# Allegro board AM335x_ICE_3H0013_PCB_REV_2_1A.brd (continued)
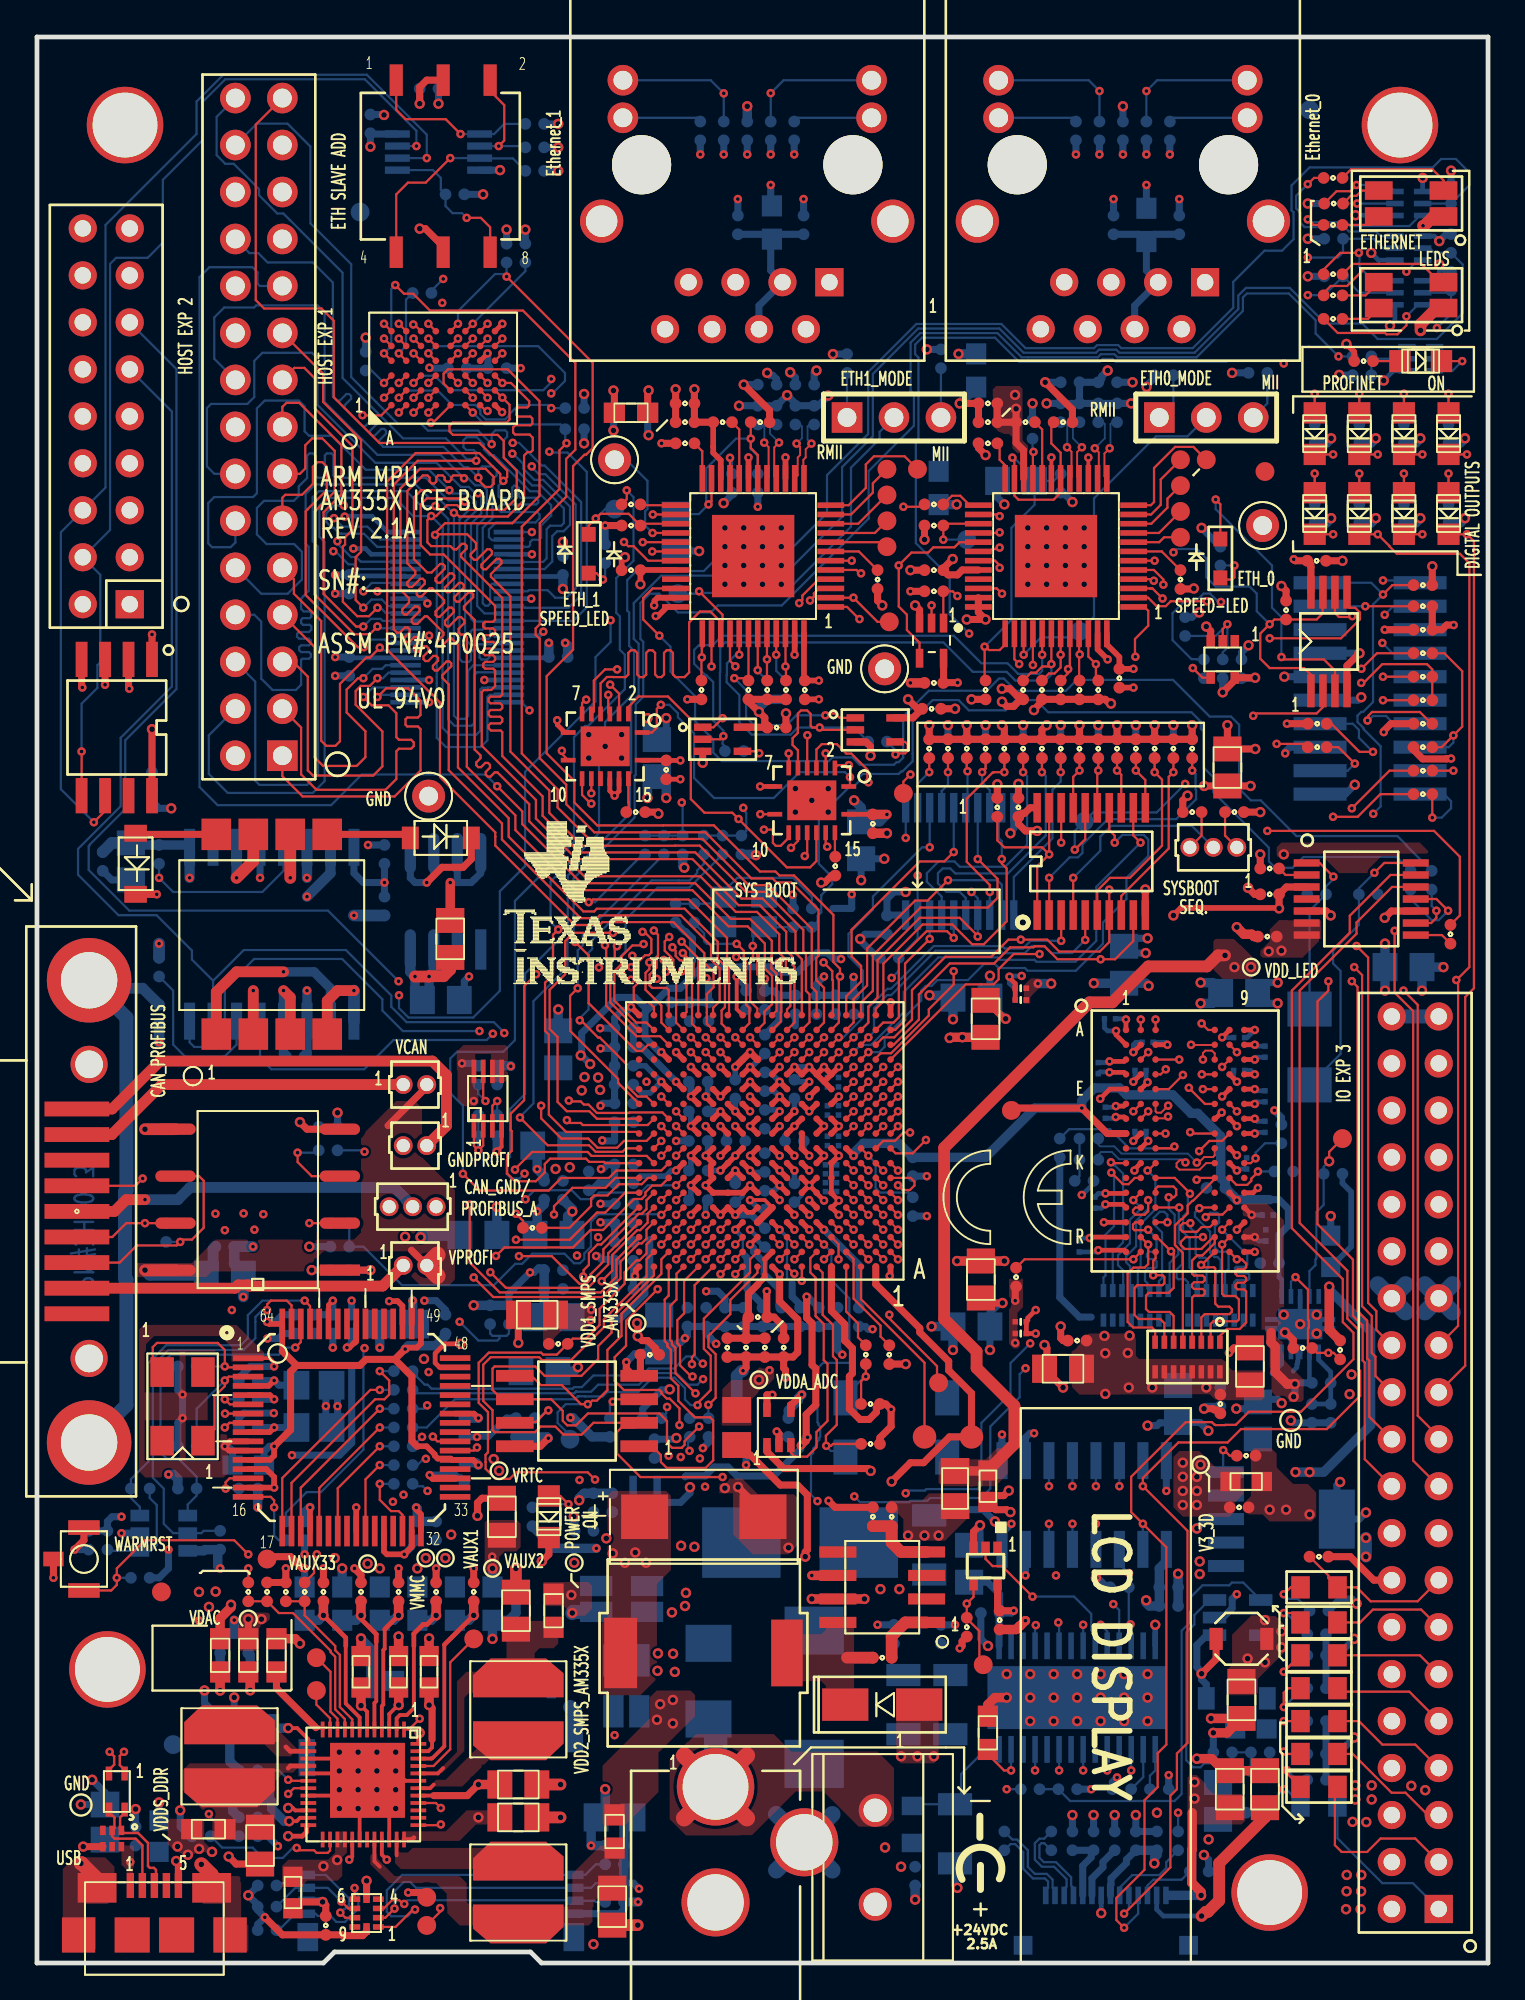
[diagram p0: board, top side]
## Nets (continued)
V5_0VOP: C55.1 C234.1 C240.1 U20.5(VCC) U35.15(5VOP)
V13: C62.1 C252.1 C255.1 C258.1 D20.1(CATHODE) J17.1 R220.2(P2)
V24_0HVS: C233.1 C242.1 C243.1 C248.1 C249.1 C273.1 D19.1(CATHODE) F1.2 J14.2 J14.4 J14.6 J14.8 J14.10 J14.12 J14.14 J14.16 R227.2(P2) R243.1(P1) U21.7(VIN)
V24_IN: D18.2(ANODE) J3.17 J11.1 J12.1
VBAT_LCD: C268.1 C269.1 J17.10
VDD1_SMPS: R86.1(P1) R219.1(I1)
VDD1_SMPS_AM335X: C37.1 C151.1 C170.1 C203.1 C204.1 C210.1 R219.2(I2) TP25.1(TP) U14.A2(VDD_MPU_MON) U14.F10(VDD_MPU#F10) U14.F11(VDD_MPU#F11) U14.F12(VDD_MPU#F12) U14.F13(VDD_MPU#F13) U14.G13(VDD_MPU#G13) U14.H13(VDD_MPU#H13) U14.J13(VDD_MPU#J13)
VDD2_SMPS: R73.1(P1) R212.1(I1)
VDD2_SMPS_AM335X: C130.1 C131.1 C134.1 C142.1 C149.1 C150.1 C154.1 C155.1 C163.1 C164.1 C169.1 C171.1 C178.1 C187.1 C192.1 R212.2(I2) U14.F6(VDD_CORE#F6) U14.F7(VDD_CORE#F7) U14.G6(VDD_CORE#G6) U14.G7(VDD_CORE#G7) U14.G10(VDD_CORE#G10) U14.H11(VDD_CORE#H11) U14.J12(VDD_CORE#J12) U14.K6(VDD_CORE#K6) U14.K8(VDD_CORE#K8) U14.K12(VDD_CORE#K12) U14.L6(VDD_CORE#L6) U14.L7(VDD_CORE#L7) U14.L8(VDD_CORE#L8) U14.L9(VDD_CORE#L9) U14.M11(VDD_CORE#M11) U14.M13(VDD_CORE#M13) U14.N8(VDD_CORE#N8) U14.N9(VDD_CORE#N9) U14.N12(VDD_CORE#N12) U14.N13(VDD_CORE#N13)
VDD_1V8FT: C206.2 C208.2 C224.1 C225.2 U18.12(VCORE.1) U18.37(VCORE.2) U18.49(VREGOUT) U18.64(VCORE.3)
VDD_FTREGIN: FB9.2 U18.50(VREGIN)
VDD_FTVPHY: C213.2 FB10.2 U18.4(VPHY)
VDD_FTVPLL: C221.2 FB12.2 U18.9(VPLL)
VDD_LED: C45.1 D1.1(A) D2.1(A) FB3.1 R128.2(P2)
VDD_RTC: C195.1 U14.D6(CAP_VDD_RTC)
VDDA_ADC: C36.1 FB2.1 R60.2(P2) U14.D8(VDDA_ADC)
VDDS_DDR: C25.1 C26.1 C27.1 C28.1 C30.1 C31.1 C101.1 C102.1 C103.1 C104.1 C105.1 C115.1 C117.1 C118.1 C122.1 C126.1 C127.1 C128.1 C129.1 C133.1 C136.1 C138.1 C140.1 C141.1 C144.1 C146.1 C147.1 C153.1 C156.1 C158.1 C161.1 C162.2 C165.1 C168.1 C174.1 C176.1 C180.1 C183.1 C209.1 R59.1(P1) R85.1(P1) R191.2 U14.E5(VDDS_DDR#E5) U14.F5(VDDS_DDR#F5) U14.G5(VDDS_DDR#G5) U14.H5(VDDS_DDR#H5) U14.J5(VDDS_DDR#J5) U14.K5(VDDS_DDR#K5) U14.L5(VDDS_DDR#L5) U15.A1(VDDQ1) U15.A8(VDDQ2) U15.B2(VDD1) U15.C1(VDDQ3) U15.C9(VDDQ4) U15.D2(VDDQ5) U15.D9(VDD9) U15.E9(VDDQ7) U15.F1(VDDQ8) U15.G7(VDD2) U15.H2(VDDQ9) U15.H9(VDDQ10) U15.K2(VDD4) U15.K8(VDD5) U15.N1(VDD6) U15.N9(VDD7) U15.R1(VDD8) U15.R9(VDD3) U29.2(VLDOIN)
AIN1: J14.31 U14.C7(AIN1)
AIN2: J14.33 U14.B7(AIN2)
AIN3: J14.35 U14.A7(AIN3)
AIN4: J14.37 U14.C8(AIN4)
AIN5: J14.32 U14.B8(AIN5)
AIN6: J14.34 U14.A8(AIN6)
AIN7: J14.36 U14.C9(AIN7)
AM335X_OSC0_IN: C100.1 R144.2 R172.2(P2) U14.V10(XTALIN) Y3.3
AM335X_REFCLK_RMII1: R13.2 U14.H18(MII1_REFCLK)
AM335X_REFCLK_RMII2: R12.2 U14.H16(MII1_COL)
B_PRUETH0_LINKLED: J2.10(D2) R90.1(P1) TP20.1 U3.28(LED_LINK)
BOOT: C56.1 U21.1(BOOT)
C1N: C270.2 J17.11
C1P: C270.1 J17.12
C2N: C271.2 J17.13
C2P: C271.1 J17.14
CAN0_H: J9.7 R238.1(P1) U16.7(CANH)
CAN0_L: J9.2 R238.2(P2) U16.6(CANL)
CAN0_RXDF: R186.2 U16.2(RXD)
CAN0_TXDF: C145.1 R181.2 U16.3(TXD)
CAN_GND/PROFIBUS_A: J8.2 J9.3
CAP_VBB_MPU: C199.1 U14.C10(CAP_VBB_MPU)
CAP_VDD_SRAM_CORE: C198.1 U14.D9(CAP_VDD_SRAM_CORE)
CAP_VDD_SRAM_MPU: C200.1 U14.D11(CAP_VDD_SRAM_MPU)
DDR_A0: RP2.1 U14.F3(DDR_A0) U15.N3(A0)
DDR_A1: RP2.3 U14.H1(DDR_A1) U15.P7(A1)
DDR_A2: RP3.7 U14.E4(DDR_A2) U15.P3(A2)
DDR_A3: RP3.4 U14.C3(DDR_A3) U15.N2(A3)
DDR_A4: RP2.6 U14.C2(DDR_A4) U15.P8(A4)
DDR_A5: RP3.6 U14.B1(DDR_A5) U15.P2(A5)
DDR_A6: RP1.2 U14.D5(DDR_A6) U15.R8(A6)
DDR_A7: RP1.8 U14.E2(DDR_A7) U15.R2(A7)
DDR_A8: RP1.1 U14.D4(DDR_A8) U15.T8(A8)
DDR_A9: RP1.6 U14.C1(DDR_A9) U15.R3(A9)
DDR_A10: RP1.5 U14.F4(DDR_A10) U15.L7(A10)
DDR_A11: RP1.4 U14.F2(DDR_A11) U15.R7(A11)
DDR_A12: RP2.4 U14.E3(DDR_A12) U15.N7(A12)
DDR_A13: RP1.7 U14.H3(DDR_A13) U15.T3(A13)
DDR_A14: RP1.3 U14.H4(DDR_A14) U15.T7(A14)
DDR_BA0: RP3.3 U14.C4(DDR_BA0) U15.M2(BA0)
DDR_BA1: RP2.5 U14.E1(DDR_BA1) U15.N8(BA1)
DDR_BA2: RP3.8 U14.B3(DDR_BA2) U15.M3(BA2)
DDR_CASN: RP3.5 U14.F1(DDR_CASN) U15.K3(CASN)
DDR_CKE: R178.2 U14.G3(DDR_CKE) U15.K9(CKE)
DDR_CLK: R179.1 U14.D2(DDR_CK) U15.J7(CK)
DDR_CLKN: R182.1 U14.D1(DDR_CKN) U15.K7(CKN)
DDR_CSN: RP3.1 U14.H2(DDR_CSN0) U15.L2(CSN)
DDR_D0: U14.M3(DDR_D0) U15.H7(DQ7)
DDR_D1: U14.M4(DDR_D1) U15.F8(DQ3)
DDR_D2: U14.N1(DDR_D2) U15.G2(DQ6)
DDR_D3: U14.N2(DDR_D3) U15.F2(DQ2)
DDR_D4: U14.N3(DDR_D4) U15.H3(DQ4)
DDR_D5: U14.N4(DDR_D5) U15.H8(DQ5)
DDR_D6: U14.P3(DDR_D6) U15.E3(DQ0)
DDR_D7: U14.P4(DDR_D7) U15.F7(DQ1)
DDR_D8: U14.J1(DDR_D8) U15.C3(DQ9)
DDR_D9: U14.K1(DDR_D9) U15.C2(DQ11)
DDR_D10: U14.K2(DDR_D10) U15.D7(DQ8)
DDR_D11: U14.K3(DDR_D11) U15.C8(DQ10)
DDR_D12: U14.K4(DDR_D12) U15.A3(DQ15)
DDR_D13: U14.L3(DDR_D13) U15.A2(DQ13)
DDR_D14: U14.L4(DDR_D14) U15.A7(DQ12)
DDR_D15: U14.M1(DDR_D15) U15.B8(DQ14)
DDR_DQM0: U14.M2(DDR_DQM0) U15.E7(LDM)
DDR_DQM1: U14.J2(DDR_DQM1) U15.D3(UDM)
DDR_DQS0: U14.P1(DDR_DQS0) U15.F3(LDQS)
DDR_DQS1: U14.L1(DDR_DQS1) U15.C7(UDQS)
DDR_DQSN0: U14.P2(DDR_DQSN0) U15.G3(LDQSN)
DDR_DQSN1: U14.L2(DDR_DQSN1) U15.B7(UDQSN)
DDR_ODT: RP3.2 U14.G1(DDR_ODT) U15.K1(ODT)
DDR_RASN: R180.1 U14.G4(DDR_RASN) U15.J3(RASN)
DDR_RESETN: R59.2(P2) U14.G2(DDR_RESETN) U15.T2(RESET#)
DDR_VREF: C159.1 C167.1 C188.1 TP21.1 U14.J4(DDR_VREF) U15.H1(VREF_DQ) U15.M8(VREF_CA) U29.6(REFOUT)
DDR_VTP: R185.2(P2) U14.J3(DDR_VTP)
DDR_VTT_EN: R62.2 R63.1 U14.F16(USB0_DRVVBUS) U29.7(EN)
DDR_WEN: RP2.2 U14.B2(DDR_WEN) U15.L3(WEN)
DRAIN0: D15.1(CATHODE) J14.19 U31.3(DRAIN0)
DRAIN1: D14.1(CATHODE) J14.20 U31.4(DRAIN1)
DRAIN2: D12.1(CATHODE) J14.21 U31.5(DRAIN2)
DRAIN3: D10.1(CATHODE) J14.22 U31.6(DRAIN3)
DRAIN4: D9.1(CATHODE) J14.23 U31.11(DRAIN4)
DRAIN5: D8.1(CATHODE) J14.24 U31.12(DRAIN5)
DRAIN6: D7.1(CATHODE) J14.25 U31.13(DRAIN6)
DRAIN7: D6.1(CATHODE) J14.26 U31.14(DRAIN7)
EMU2_GPIO0_19: Q2.2(5) R35.2(P2) R106.2(P2) U14.A15(XDMA_EVENT_INTR0)
EMU2R: J15.17(EMU2) R35.1(P1)
EMU3_GPIO0_20: Q3.5 R26.1(P1) R108.2(P2) U14.D14(XDMA_EVENT_INTR1)
EMU3R: J15.18(EMU3) R26.2(P2)
EMU4: J3.10 R36.2(P2) U14.A14(MCASP0_AHCLKX)
EMU4R: J15.19(EMU4) R36.1(P1)
EMU_RSTN: C13.1 J15.15(SRST) R20.1(P1)
ENZ_KALDO_1P8V: R65.1(P1) U14.B4(RTC_KALDO_ENN)
ETH0_CLKIN: R42.2 U3.34(XI)
ETH1_CLKIN: R154.2 U2.34(XI)
F_ADBUS0: R209.2(P2) U18.16(ADBUS0)
F_ADBUS1: R192.2(P2) U18.17(ADBUS1)
F_ADBUS2: R190.2(P2) U18.18(ADBUS2)
F_ADBUS3: R194.2(P2) U18.19(ADBUS3)
F_ADBUS4: R201.2(P2) U18.21(ADBUS4)
F_ADBUS5: R203.2(P2) U18.26(ACBUS0)
F_ADBUS6: R202.2(P2) U18.23(ADBUS6)
F_ADBUS7: R204.2(P2) U18.30(ACBUS4)
F_EECS: R210.1(P1) U18.63(EECS) U33.5(CS)
F_EEDATA: R207.1(P1) U18.61(EEDATA) U33.3(DIN)
F_EEDOUT: R207.2(P2) R211.1(P1) U33.1(DOUT)
F_EESK: R206.1(P1) U18.62(EESK) U33.4(SK)
FET_NOE: R11.2 U4.1(NOE1) U4.7(NOE2) U14.C18(ECAP0_IN_PWM0_OUT)
FT_REF: R193.2 U18.6(REF)
FT_RESETN: R205.1(P1) U18.14(RESET#)
FT_SRESET: R137.2(P2) R141.1(P1) R203.1(P1) U10.2(A)
GPIO2-5: R21.1(P1) U5.1(A) U14.T6(GPMC_BEN0_CLE)
GPIO2_12: U1.C3(A18) U14.T3(LCD_DATA6) U37.5(2Y3)
GPIO2_13: U1.D4(A19) U14.T4(LCD_DATA7) U37.3(2Y4)
GPIO3_18: J3.9 R244.1(P1) U14.B12(MCASP0_ACLKR) U35.26(L\D\)
GPIO3_19: J3.11 U14.C13(MCASP0_FSR) U28.7(DE)
GPIO3_20: J3.13 U14.D13(MCASP0_AXR1)
GPMC_A0: J4.1 U1.E1(A0) U26.2(1Q1)
GPMC_A1: J4.3 U1.D1(A1) U26.3(1Q2)
GPMC_A2: J4.5 U1.C1(A2) U26.5(1Q3)
GPMC_A3: J4.7 U1.A1(A3) U26.6(1Q4)
GPMC_A4: J4.9 U1.B1(A4) U26.8(1Q5)
GPMC_A5: J4.11 U1.D2(A5) U26.9(1Q6)
GPMC_A6: J4.13 U1.C2(A6) U26.11(1Q7)
GPMC_A7: J4.15 U1.A2(A7) U26.12(1Q8)
GPMC_A8: J4.17 U1.B5(A8) U26.13(2Q1)
GPMC_A9: J4.19 U1.A5(A9) U26.14(2Q2)
GPMC_A10: U1.C5(A10) U26.16(2Q3)
GPMC_A11: U1.D5(A11) U26.17(2Q4)
GPMC_A12: U1.B6(A12) U26.19(2Q5)
GPMC_A13: U1.A6(A13) U26.20(2Q6)
GPMC_A14: U1.C6(A14) U26.22(2Q7)
GPMC_A15: U1.D6(A15) U26.23(2Q8)
GPMC_AD0: J4.2 U1.E2(DQ0) U14.U7(GPMC_AD0) U26.47(1D1)
GPMC_AD1: J4.4 U1.H2(DQ1) U14.V7(GPMC_AD1) U26.46(1D2)
GPMC_AD2: J4.6 U1.E3(DQ2) U14.R8(GPMC_AD2) U26.44(1D3)
GPMC_AD3: J4.8 U1.H3(DQ3) U14.T8(GPMC_AD3) U26.43(1D4)
GPMC_AD4: J4.10 U1.H4(DQ4) U14.U8(GPMC_AD4) U26.41(1D5)
GPMC_AD5: J4.12 U1.E4(DQ5) U14.V8(GPMC_AD5) U26.40(1D6)
GPMC_AD6: J4.14 U1.H5(DQ6) U14.R9(GPMC_AD6) U26.38(1D7)
GPMC_AD7: J4.16 U1.E5(DQ7) U14.T9(GPMC_AD7) U26.37(1D8)
GPMC_AD8: J4.18 U1.F2(DQ8) U14.U10(GPMC_AD8) U26.36(2D1)
GPMC_AD9: J4.20 U1.G2(DQ9) U14.T10(GPMC_AD9) U26.35(2D2)
GPMC_AD10: J4.22 U1.F3(DQ10) U14.T11(GPMC_AD10) U26.33(2D3)
GPMC_AD11: J4.24 U1.G3(DQ11) U14.U12(GPMC_AD11) U26.32(2D4)
GPMC_AD12: J4.26 U1.F4(DQ12) U14.T12(GPMC_AD12) U26.30(2D5)
GPMC_AD13: J4.28 U1.G5(DQ13) U14.R12(GPMC_AD13) U26.29(2D6)
GPMC_AD14: J4.30 U1.F5(DQ14) U14.V13(GPMC_AD14) U26.27(2D7)
GPMC_AD15: J4.29 U1.G6(DQ15_A-1) U14.U13(GPMC_AD15) U26.26(2D8)
GPMC_ADVN_ALE: J4.27 U14.R7(GPMC_ADVN_ALE) U26.25(2CLK) U26.48(1CLK)
GPMC_CSN0: R125.1(P1) U1.F1(E\) U14.V6(GPMC_CSN0)
GPMC_CSN2: J4.21 U14.V9(GPMC_CSN2)
GPMC_NOR_A1: R102.2(P2) U1.E6(A16) U14.U5(LCD_VSYNC)
GPMC_NOR_A2: R115.2(P2) U1.B2(A17) U14.R5(LCD_HSYNC)
GPMC_OEN_REN: J4.25 U1.G1(G\) U14.T7(GPMC_OEN_REN)
GPMC_WEN: J4.23 U1.A4(W\) U14.U6(GPMC_WEN)
I2C0_SCL: J3.6 J17.5 R69.2(P2) R196.1(P1) U6.6(SCL) U12.12(S2/SCL) U14.C16(I2C0_SCL) U25.6(SCL) U31.15(SCL)
I2C0_SDA: J3.4 J17.4 R61.1(P1) R72.2(P2) U6.5(SDA) U12.13(S1/SDA) U14.C17(I2C0_SDA) U25.7(SDA) U31.2(SDA)
INDUS_INPUT0: J14.1 R226.1(P1)
INDUS_INPUT1: J14.3 R84.1(P1)
INDUS_INPUT2: J14.5 R83.1(P1)
INDUS_INPUT3: J14.7 R81.1(P1)
INDUS_INPUT4: J14.9 R80.1(P1)
INDUS_INPUT5: J14.11 R79.1(P1)
INDUS_INPUT6: J14.13 R74.1(P1)
INDUS_INPUT7: J14.15 R68.1(P1) R243.2(P2)
INDUS_INPUTSO: U20.2(A) U35.23(SOP)
IREF: J17.3 R232.1
JTAG_EMU0: J15.13(EMU0) R25.1(P1) R202.1(P1) U14.C14(EMU0///////GPIO3_7)
JTAG_EMU1: J15.14(EMU1) R24.1(P1) R204.1(P1) U14.B14(EMU1///////GPIO3_8)
JTAG_TCK: R22.2(P2) R23.2(P2) R209.1(P1) U14.A12(TCK)
JTAG_TDI: J15.3(TDI) R192.1(P1) U14.B11(TDI)
JTAG_TDO: J15.7(TDO) R190.1(P1) U14.A11(TDO)
JTAG_TMS: J15.1(TMS) R194.1(P1) U14.C11(TMS)
JTAG_TRSTN: J15.2(TRSTN) R14.2(P2) R201.1(P1) U14.B10(TRSTN)
LATCH0_IN: J3.3 U14.D18(UART1_CTSN)
LATCH1_IN: J3.5 U14.D17(UART1_RTSN)
LCD_BST_CONV_CTL: R225.2(P2) U14.F15(USB1_DRVVBUS)
LED_1: Q2.5 R107.2(P2) U14.K15(MII1_TXD2)
LED_2: Q1.2(5) R104.2(P2) R126.2(P2) U14.J18(MII1_TXD3)
LED_3: Q1.5 R103.2(P2) U14.K18(MII1_TXCLK)
LED_4: Q3.2(5) R109.2(P2) TP37.1 U14.U9(GPMC_CSN1)
MDIO_CLK: R149.2(P2) U14.M18(MDIO_CLK)
MDIO_DATA: R147.2(P2) U14.M17(MDIO_DATA)
MMC0_CLK: J16.5(CLOCK) R58.1(P1) R237.1(P1) U24.6(IO4)
MMC0_CMD: J16.3(CMD) R235.1(P1) U14.G18(MMC0_CMD) U24.3(IO3)
MMC0_DAT0: J16.7(DAT0) R236.1(P1) U14.G16(MMC0_DAT0) U24.7(IO5)
MMC0_DAT1: J16.8(DAT1) R234.1(P1) U14.G15(MMC0_DAT1) U24.8(IO6)
MMC0_DAT2: J16.1(DAT2) R231.1(P1) U14.F18(MMC0_DAT2) U24.1(IO1)
MMC0_DAT3: J16.2(CD/DAT3) R233.1(P1) U14.F17(MMC0_DAT3) U24.2(IO2)
MUX_MII_CTL1: U9.1(S) U11.1(S) U14.L18(MII1_RXCLK)
NOR_READY: R111.1(P1) U1.A3(RB\)
NOR_RP: R105.2(P2) U1.B4(R\P\)
OSC0_OUT: R156.1(P1) U14.U11(XTALOUT)
OSC0_OUT1: C99.1 R156.2(P2) R172.1(P1) Y3.1
OSC1_IN: C42.2 U14.A6(RTC_XTALIN) Y4.4
OSC1_OUT: R64.1(P1) U14.A4(RTC_XTALOUT)
OSC1_OUT1: C40.2 R64.2(P2) Y4.1
PGOOD_VTT: R184.1 TP22.1 U29.9(PGOOD)
PH: C56.2 D17.1(CATHODE) L3.1 U21.8(PH)
PMIC_I2C_SCL: R69.1(P1) R70.1(P1) U22.9(SCL_SCK)
PMIC_I2C_SDA: R71.1(P1) R72.1(P1) U22.8(SDA_SDI)
PMIC_INTN: TP27.1 U22.45(INT1)
PMIC_PWR_EN: U14.C6(PMIC_POWER_EN) U22.1(PWRHOLD)
PMIC_RESETOUTN: C194.1 R187.2(P2) U14.B15(PWRONRSTN) U22.40(NRESPWRON)
PMIC_SLEEP: TP31.1 U22.37(SLEEP)
PMICSR_I2C_SCL: TP29.1 U22.11(SCLSR_EN1)
PMICSR_I2C_SDA: TP28.1 U22.10(SDASR_EN2)
PR1_MDIO_DATA: R146.2(P2) U14.T13(GPMC_CSN3)
PR1_MDIO_MDCLK: R150.2(P2) U14.V12(GPMC_CLK)
PR1_MII0_RXLINK_SPEED: U4.2(1A) U14.V2(CD_DATA12) U38.9(2Y1)
PR1_MII1_CLK: U2.38(MII_RX_CLK) U14.U16(GPMC_A9)
PR1_MII1_COL_RMII2_CRS_DV: U9.9(3A) U14.T17(GPMC_WAIT0)
PR1_MII1_CRS: U2.40(MII_CRS) U9.10(3B2) U14.R6(LCD_AC_BIAS_EN)
PR1_MII1_RXD0: R135.1(P1) U2.43(MII_RXD_0) U11.10(3B2) U14.V16(GPMC_A8)
PR1_MII1_RXD1: R28.1(P1) U2.44(MII_RXD_1) U9.6(2B2) U14.T15(GPMC_A7)
PR1_MII1_RXD2: R134.1(P1) U2.45(MII_RXD_2) U14.U15(GPMC_A6)
PR1_MII1_RXD3_RMII2_TXD0: U11.12(4A) U14.V15(GPMC_A5)
PR1_MII1_RXDV_RMII2_RXD1: U9.7(2A) U14.T16(GPMC_A10)
PR1_MII1_RXER_RMII2_RXD0: U11.9(3A) U14.V17(GPMC_A11)
PR1_MII1_TXCLK_RMII2_TXEN: U11.4(1A) U14.R13(GPMC_A0)
PR1_MII1_TXD0_RMII2_TXD1: U9.4(1A) U14.R14(GPMC_A4)
PR1_MII1_TXD1: U2.4(MII_TXD_1) U9.3(1B2) U14.T14(GPMC_A3)
PR1_MII1_TXD2: U2.5(MII_TXD_2) U14.U14(GPMC_A2)
PR1_MII1_TXD3: U2.6(MII_TXD_3) U14.V14(GPMC_A1)
PR1_MII1_TXEN_RMII2_RXERR: U11.7(2A) U14.U17(GPMC_WPN)
PR1_MII_CTL: R277.2(P2) R278.2(P2) U14.J17(MII1_RXDV) U37.1(1OE#) U37.19(2OE#) U38.1(1OE#) U38.19(2OE#)
PROFI_GND: J7.1 J9.5
PROFIBUS_A: J8.1 R152.1(P1) U28.12(A)
PROFIBUS_B: J9.8 R153.2(P2) U28.13(B)
PRUETH0_ACTLED: J2.12(D4) R92.1(P1) U3.26(LED_ACT)
PRUETH0_COL: R30.1(P1) U3.42(MII_COL) U8.1(A)
PRUETH0_CRS: U3.40(MII_CRS) U14.H17(MII1_CRS) U14.V5(LCD_PCLK)
PRUETH0_INT: R19.1(P1) U3.7(PWRDNN/INTN)
PRUETH0_JTCK: TP15.1 U3.8(JTAG_TCK)
PRUETH0_JTDI: TP7.1 U3.12(JTAG_TDI)
PRUETH0_JTDO: TP13.1 U3.9(JTAG_TDO)
PRUETH0_JTMS: TP11.1 U3.10(JTAG_TMS)
PRUETH0_JTRSTN: TP9.1 U3.11(JTAG_TRSTN)
PRUETH0_RESETN: U2.29(RESET_N) U3.29(RESET_N) U5.4(Y)
PRUETH0_RXCLK: U3.38(MII_RX_CLK) U14.V4(LCD_DATA14) U38.5(2Y3)
PRUETH0_RXD0: R31.1(P1) U3.43(MII_RXD_0) U14.M16(MII1_RXD0) U14.U4(LCD_DATA11) U38.12(1Y4)
PRUETH0_RXD1: R32.1(P1) U3.44(MII_RXD_1) U14.L15(MII1_RXD1) U14.U3(LCD_DATA10) U38.14(1Y3)
PRUETH0_RXD2: R33.1(P1) U3.45(MII_RXD_2) U14.U2(LCD_DATA9) U38.16(1Y2)
PRUETH0_RXD3: R34.1(P1) U3.46(MII_RXD_3) U14.U1(LCD_DATA8) U38.18(1Y1)
PRUETH0_RXDV: J18.2 TP35.1 U3.39(MII_RX_DV) U14.T5(LCD_DATA15) U38.3(2Y4)
PRUETH0_RXERR: R139.2(P2) U3.41(MII_RX_ERR) U8.2(B) U14.J15(MII1_RXERR)
PRUETH0_RXERR_COL: R139.1(P1) U4.6(2B) U8.4(Y)
PRUETH0_RXERR_COL_PROC: U4.5(2A) U14.V3(LCD_DATA13) U38.7(2Y2)
PRUETH0_SPEEDLED: D4.1(CATHODE) R16.1(P1) TP34.1 U3.27(LED_SPEED) U4.3(1B)
PRUETH0_SWSTRAP: R124.1(P1) U3.21(SW_STRAPN)
PRUETH0_TXCLK: U3.1(MII_TX_CLK) U14.R1(LCD_DATA0) U37.18(1Y1)
PRUETH0_TXD0: U3.3(MII_TXD_0) U14.K17(MII1_TXD0) U14.T2(LCD_DATA5) U37.7(2Y2)
PRUETH0_TXD1: U3.4(MII_TXD_1) U14.K16(MII1_TXD1) U14.T1(LCD_DATA4) U37.9(2Y1)
PRUETH0_TXD2: U3.5(MII_TXD_2) U14.R4(LCD_DATA3) U37.12(1Y4)
PRUETH0_TXD3: U3.6(MII_TXD_3) U14.R3(LCD_DATA2) U37.14(1Y3)
PRUETH0_TXEN: TP32.1 U3.2(MII_TX_EN) U14.J16(MII1_TXEN) U14.R2(LCD_DATA1) U37.16(1Y2)
PRUETH1_ACTLED: J1.12(D4) R97.1(P1) U2.26(LED_ACT)
PRUETH1_COL: R27.1(P1) U2.42(MII_COL) U7.1(A) U9.11(3B1)
PRUETH1_INTN: R18.1(P1) U2.7(PWRDNN/INTN)
PRUETH1_JTCK: TP16.1 U2.8(JTAG_TCK)
PRUETH1_JTDI: TP8.1 U2.12(JTAG_TDI)
PRUETH1_JTDO: TP14.1 U2.9(JTAG_TDO)
PRUETH1_JTMS: TP12.1 U2.10(JTAG_TMS)
PRUETH1_JTRSTN: TP10.1 U2.11(JTAG_TRSTN)
PRUETH1_LINKLED: J1.10(D2) R95.1(P1) TP17.1 U2.28(LED_LINK)
PRUETH1_RXD3: R29.1(P1) U2.46(MII_RXD_3) U11.14(4B1)
PRUETH1_RXDV: J19.2 TP36.1 U2.39(MII_RX_DV) U9.5(2B1)
PRUETH1_RXERR: R138.2(P2) U2.41(MII_RX_ERR) U7.2(B) U11.6(2B2)
PRUETH1_RXERR_COL: R138.1(P1) U7.4(Y) U11.11(3B1)
PRUETH1_SPEEDLED: D5.1(CATHODE) R15.1(P1) TP40.1 U2.27(LED_SPEED) U14.U18(GPMC_BEN1)
PRUETH1_SWSTRAP: R129.1(P1) U2.21(SW_STRAPN)
PRUETH1_TXCLK: U2.1(MII_TX_CLK) U11.2(1B1)
PRUETH1_TXD0: U2.3(MII_TXD_0) U9.2(1B1) U11.13(4B2)
PRUETH1_TXEN: TP33.1 U2.2(MII_TX_EN) U11.3(1B2) U11.5(2B1)
PRUETH_MDC: R148.1(P1) R149.1(P1) R150.1(P1) U2.31(MDC) U3.31(MDC)
PRUETH_MDIO: R145.1(P1) R146.1(P1) R147.1(P1) U2.30(MDIO) U3.30(MDIO)
PRUETHER0_RDN: J2.2 R116.2(P2) U3.13(RD-)
PRUETHER0_RDP: J2.1 R117.2(P2) U3.14(RD+)
PRUETHER0_TDN: J2.6 R118.2(P2) U3.16(TD-)
PRUETHER0_TDP: J2.5 R119.2(P2) U3.17(TD+)
PRUETHER1_RDN: J1.2 R120.2(P2) U2.13(RD-)
PRUETHER1_RDP: J1.1 R121.2(P2) U2.14(RD+)
PRUETHER1_TDN: J1.6 R122.2(P2) U2.16(TD-)
PRUETHER1_TDP: J1.5 R123.2(P2) U2.17(TD+)
PWR_SWIO: L5.1 U22.14(SWIO)
PWR_VAUX1: C53.1 R214.1(P1) U22.46(VAUX1)
PWR_VAUX2: C237.1 R213.1(P1) U22.48(VAUX2)
PWR_VAUX33: C51.1 R78.1(P1) R216.2(P2) U22.4(VAUX33)
PWR_VDAC: C244.1 R77.1(P1) U22.22(VDAC)
PWR_VDD1_SMPS: C67.1 L7.2 R86.2(P2) U22.32(VFB1)
PWR_VDD2_SMPS: C54.1 L4.2 R73.2(P2) U22.44(VFB2)
PWR_VDDIO: R78.2(P2) U22.12(VDDIO)
PWR_VDDS_DDR: C65.1 L5.2 R85.2(P2) U22.16(VFBIO)
PWR_VDIG1: C49.1 R218.2(P2) U22.7(VDIG1)
PWR_VDIG2: C50.1 R217.2(P2) U22.5(VDIG2)
PWR_VMMC: C52.1 R215.2(P2) U22.2(VMMC)
PWR_VPLL: C245.1 R76.1(P1) U22.24(VPLL)
PWRON: TP30.1 U22.33(PWRON)
RESN: J17.6 R230.2(P2)
RTC_PORZ: R176.2(P2) U13.7(2Y) U14.B5(RTC_PWRONRSTN)
RTCK: J15.9(TCKRTN) R22.1(P1)
SENSE: R66.2 R67.1(P1) U21.4(VSNS)
SPI0_CS0: U14.A16(SPI0_CS0) U17.1(C\S\)
SPI0_CS1: U14.C15(SPI0_CS1) U35.24(C\E\)
SPI0_D0: R75.1(P1) TP39.1 U14.B17(SPI0_D0) U17.2(DO) U20.4(Y)
SPI0_D1: TP38.1 U14.B16(SPI0_D1) U17.5(DI)
SPI0_SCLK: U14.A17(SPI0_SCLK) U17.6(CLK) U35.25(CLK)
SPI1_CS0: J3.18 U14.C12(MCASP0_AHCLKR)
SPI1_D0: J3.14 U14.B13(MCASP0_FSX)
SPI1_D1: J3.16 U14.D12(MCASP0_AXR0)
SPI1_SCLK: J3.12 U14.A13(MCASP0_ACLKX)
SW3: U22.31(SW3)
SYS_BOOT0: R57.1(P1) R157.2(P2) U37.2(1A1)
SYS_BOOT1: J5.2 U37.4(1A2)
SYS_BOOT2: R56.1(P1) R158.2(P2) U37.6(1A3)
SYS_BOOT3: R55.1 R159.2(P2) U37.8(1A4)
SYS_BOOT4: R54.1 R160.2(P2) U37.11(2A1)
SYS_BOOT5: R53.1(P1) R161.2(P2) U37.13(2A2)
SYS_BOOT6: R52.1(P1) R162.2(P2) U37.15(2A3)
SYS_BOOT7: R51.1(P1) R163.2(P2) U37.17(2A4)
SYS_BOOT8: R50.1 R164.2(P2) U38.2(1A1)
SYS_BOOT9: R49.1(P1) R165.2(P2) U38.4(1A2)
SYS_BOOT10: R47.1(P1) R167.2(P2) U38.6(1A3)
SYS_BOOT11: R45.1 R169.2(P2) U38.8(1A4)
SYS_BOOT12: R48.1(P1) R166.2(P2) U38.11(2A1)
SYS_BOOT13: R46.1(P1) R168.2(P2) U38.13(2A2)
SYS_BOOT14: R44.1 R170.2(P2) U38.15(2A3)
SYS_BOOT15: R43.1(P1) R171.2(P2) U38.17(2A4)
SYS_RESETN: R20.2(P2) R105.1(P1) R142.1(P1) R197.1(P1) R198.2(P2) R230.1(P1) U5.2(B) U14.A10(WARMRSTN)
SYS_WARMRESETN: C235.1 R198.1(P1) S1.2(A2)
TCK: J15.11(TCK) R23.1(P1)
TDIS: J15.4(TDIS) R17.2(P2)
TEMP_SENSE: U14.B6(AIN0) U19.3(OUT)
TESTOUT: TP24.1(TP) U14.A3(RESERVED)
UART0_RXD: R181.1 U14.E15(UART0_RXD)
UART0_TXD: C184.1 R186.1 U14.E16(UART0_TXD)
UART1_RXD: U14.D16(UART1_RXD) U28.5(R)
UART1_TXD: U14.D15(UART1_TXD) U28.8(D)
UART3_RXD: U14.L17(MII1_RXD3) U18.38(BDBUS0)
UART3_TXD: U14.L16(MII1_RXD2) U18.39(BDBUS1)
UART4_RXD_SYNC0_OUT: J3.7 U14.E18(UART0_CTSN)
UART4_TXD_SYNC1_OUT: J3.8 U14.E17(UART0_RTSN)
USB_DC: C263.1 C264.1 J13.1(VBUS) R189.2 U23.6(VBUS)
USBDM: J13.2(DM) L6.3 U23.2(D-)
USBDM_FT: L6.2 U18.7(DM)
USBDP: J13.3(DP) L6.4 U23.1(D+)
USBDP_FT: L6.1 U18.8(DP)
VADD33_PRUETH0: C2.1 C5.1 R8.1(P1) R241.1(P1) U3.22(AVDD33)
VADD33_PRUETH1: C1.1 C3.1 R7.1(P1) R240.1(P1) U2.22(AVDD33)
VAUX1: C21.1 C124.1 C132.1 R39.2(P2) R214.2(P2) U12.3(VDD) U14.N16(VDDA1P8V_USB0) U14.R16(VDDA1P8V_USB1)
VAUX2: C23.1 C29.1 C47.1 C109.2 C110.2 C111.2 C112.1 C113.1 C137.2 C139.1 C143.2 C172.2 C173.2 C175.2 C189.1 C193.1 C201.1 C202.2 C205.1 R37.2 R43.2(P2) R44.2 R45.2 R46.2(P2) R47.2(P2) R48.2(P2) R49.2(P2) R50.2 R51.2(P2) R52.2(P2) R53.2(P2) R54.2 R55.2 R56.2(P2) R57.2(P2) R61.2(P2) R70.2(P2) R71.2(P2) R196.2(P2) R197.2(P2) R213.2(P2) U14.E10(VDDSHV6#E10) U14.E11(VDDSHV6#E11) U14.E12(VDDSHV6#E12) U14.E13(VDDSHV6#E13) U14.F14(VDDSHV6#F14) U14.G14(VDDSHV6#G14) U14.K14(VDDSHV5#K14) U14.L14(VDDSHV5#L14) U14.N5(VDDSHV6#N5) U14.P5(VDDSHV6#P5) U14.P6(VDDSHV6#P6) U14.P7(VDDSHV1#P7) U14.P8(VDDSHV1#P8) U14.P12(VDDSHV3#P12) U14.P13(VDDSHV3#P13) U32.1(EN)
VAUX33: C116.1 C120.1 C186.1 R63.2 R184.2 R208.2(P2) R216.1(P1) U14.N15(VDDA3P3V_USB0) U14.R15(VDDA3P3V_USB1) U29.10(VIN)
VBREF: C267.1 J17.9
VCAN: J6.1 J9.9
VCAN0: C24.1(POS) C98.1 C107.1 C185.1 C191.1(POS) J6.2 J10.2 R152.2(P2) U16.8(VCC2) U27.7(OUT#7) U27.8(OUT#8) U28.16(VCC2)
VCOMH: C63.1 J17.2
VDAC: C114.1 C152.1 C177.1 C182.1 C212.1 R77.2(P2) U14.E6(VDDS#E6) U14.E14(VDDS#E14) U14.F9(VDDS#F9) U14.K13(VDDS#K13) U14.N6(VDDS#N6) U14.P9(VDDS#P9) U14.P14(VDDS#P14)
VDIG1: R218.1(P1) TP26.1
VDIG2: C106.1 C108.1 C135.1 C166.1 C181.1 C196.1 R217.1(P1) U14.D10(VDDS_SRAM_MPU_BB) U14.E7(VDDS_PLL_DDR) U14.E9(VDDS_SRAM_CORE_BG) U14.H15(VDDS_PLL_MPU) U14.R10(VDDS_PLL_CORE_LCD) U14.R11(VDDS_OSC)
VMMC: C68.1 C119.2 C121.2 C157.2 C160.2 C179.2 C229.2 C260.1 C272.1 J16.4(VDD) R215.1(P1) R231.2(P2) R233.2(P2) R234.2(P2) R235.2(P2) R236.2(P2) R237.2(P2) U14.H14(VDDSHV4#H14) U14.J14(VDDSHV4#J14) U14.P10(VDDSHV2#P10) U14.P11(VDDSHV2#P11) U24.10(VCC)
VPLL: FB2.2 R76.2(P2)
VPMIC_VRTC: C261.1 R228.2(P2) U22.29(VRTC)
VPP: U14.M5(VPP)
VPROFI_DB: J9.6 J10.1
VPROFI_SRC: C95.1 C96.1 D11.1(CATHODE) D13.1(CATHODE) U27.5(IN#5) U27.6(IN#6)
VPROFI_TRANSA: D13.2(ANODE) L1.8
VPROFI_TRANSB: D11.2(ANODE) L1.5
VREFP_ADC: C33.1 C34.1 C35.1 R60.1(P1) U14.B9(VREFP)
VRTC: C125.1 C197.1 C223.1 U13.5(2A) U13.6(2B) U13.8(VCC) U14.D7(VDDS_RTC) U30.5(OUT)
VRTC_DET: R177.1(P1) U13.3(2Y)
VRTC_DETB: C148.1 R177.2(P2) U13.1(2A) U13.2(2B)
VTT_DDR: C32.1 C38.1 C39.1 C41.1 C214.1 C215.1 R180.2 RP1.9 RP1.10 RP1.11 RP1.12 RP1.13 RP1.14 RP1.15 RP1.16 RP2.11 RP2.12 RP2.13 RP2.14 RP2.15 RP2.16 RP3.9 RP3.10 RP3.11 RP3.12 RP3.13 RP3.14 RP3.15 RP3.16 U29.3(VO) U29.5(VOSNS)
XTIN: C211.2 U18.2(XTIN) Y2.3(X3)
XTOUT: C222.2 U18.3(XTOUT) Y2.1(X1)
N16792759: R174.2(P2) U28.6(R\E\)
N16818242: C6.1 C16.1 C81.1 C82.1 U3.18(PFBIN1) U3.23(PFBOUT) U3.37(PFBIN2)
N16818333: R8.2(P2) U3.20(RSV)
N16818596: J2.9(D1) R89.1(P1)
N16819128: R10.2(P2) U3.24(RBIAS)
N16839102: C262.1 R227.1(P1) U35.14(VCC)
N16839202: R82.2(P2) U35.13(RLIM)
N16839209: R223.2(P2) U35.2(DB1)
N16839216: R222.2(P2) U35.1(DB0)
N16844016: D15.2(ANODE) R173.2(P2)
N16844076: D14.2(ANODE) R155.2(P2)
N16844150: D12.2(ANODE) R151.2(P2)
N16844168: D10.2(ANODE) R143.2(P2)
N16844256: D9.2(ANODE) R140.2(P2)
N16844274: D8.2(ANODE) R136.2(P2)
N16844366: D7.2(ANODE) R133.2(P2)
N16844384: D6.2(ANODE) R132.2(P2)
N17075237: D4.2(ANODE) R130.1(P1)
N17107785: C254.1 U22.18(VREF)
N17123334: L7.1 U22.35(SW1)
N17123833: L4.1 U22.42(SW2)
N19577113: R229.1(P1) U22.26(BOOT0)
N19577116: R228.1(P1) U22.19(BOOT1)
N20350418: J5.3 R38.2(P2)
N20364263: TP23.1 U14.C5(EXT_WAKEUP)
N21063525: R101.1(P1) U1.F6(B\Y\T\E\)